# Altium PCB PROB_S7CAS_PCB.PcbDoc (part 6 of 6)
Units mil, origin at the board's own origin, x right, y up, seen from the top; angles counter-clockwise.
Board outline 5946.03 x 10918.8 mil, 16 copper layers (Top, Ground Plane 1, Data 1, Ground Plane 2, Data 2, Ground Plane 3, Power Plane 1, Ground plane 4, Power Plane 2, Ground Plane 5, Ground Plane 6, Data 3, Ground Plane 7, Data 4, Groud Plane 8, Bottom), stack 69.344 mil thick; 467 components, 340 nets, 2151 pads, 1273 vias.
Unrouted connection lines stored in the file: 425.
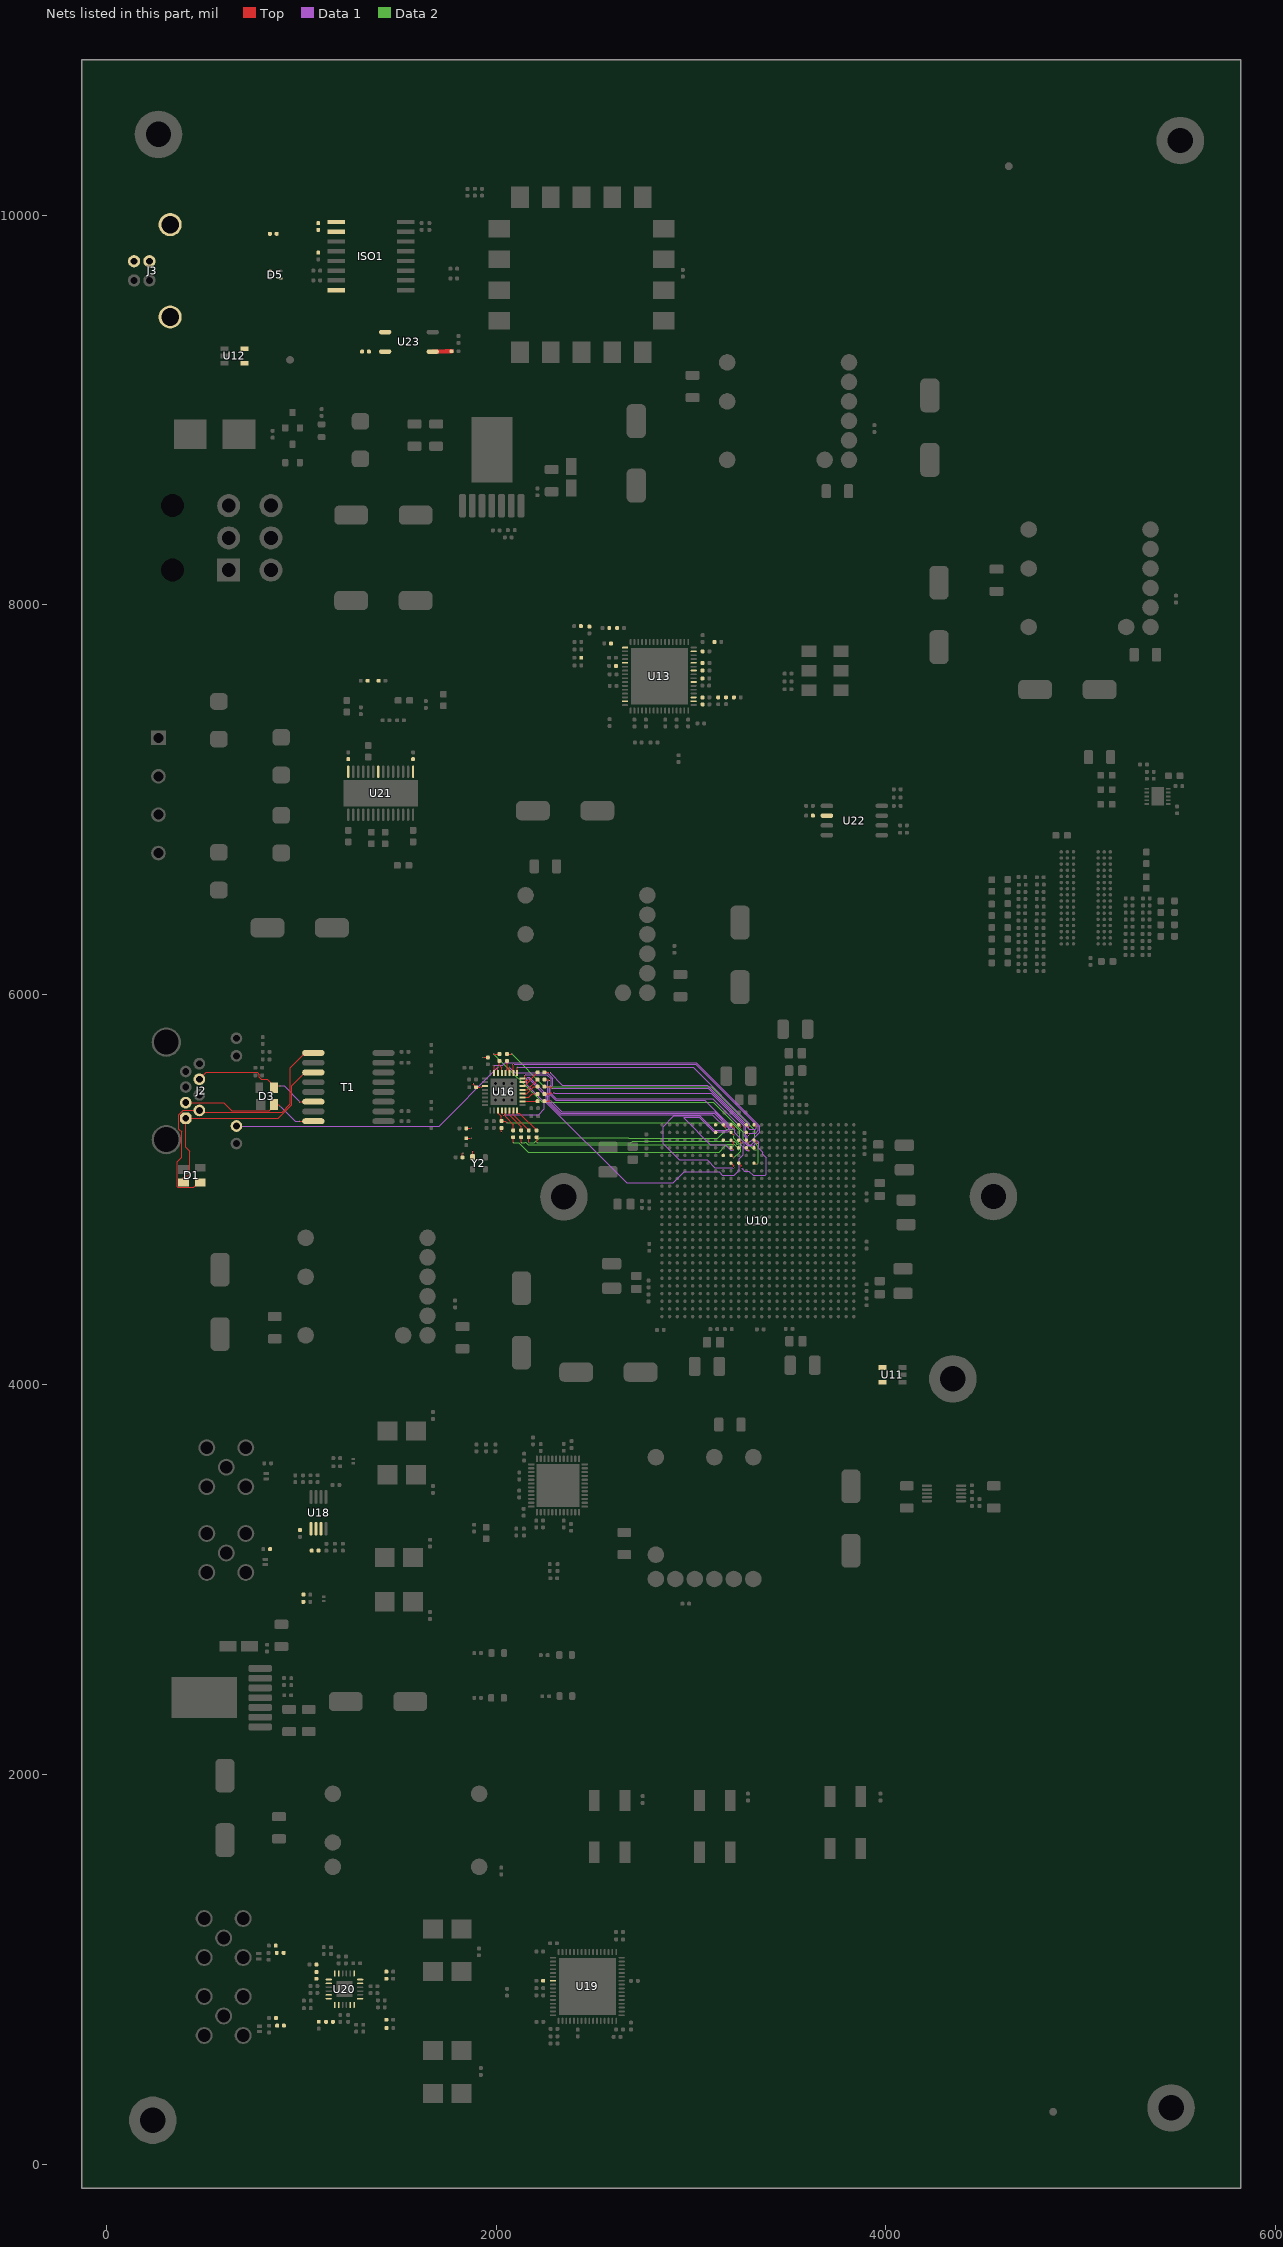
[diagram p20: the nets of this part, all layers, seen from the top]

## Via types
v1: diameter 7, hole 4, Top to Bottom, 1079 vias
v2: diameter 19.68, hole 7.87, Top to Bottom, 110 vias
v3: diameter 20, hole 10, Top to Bottom, 78 vias
v4: diameter 15, hole 4, Top to Bottom, 5 vias
v5: diameter 15, hole 6, Top to Bottom, 1 vias

## Nets (pads, with @x,y where several pads share a name; then routed paths per layer and width w, separated by ;. In a path a pad name is that pad's centre, name@x,y a point inside that pad or via, vN(x,y) a via of type N, cw(c..) or ccw(c..) an arc to the next point about the centre after c; other vN are vias at no path point) (continued)
NetR84_1: R84.1 R86.2 U18.6
NetR84_2: R84.2 R87.1 U18.7
NetR88_2: R88.2 R89.2 U18.5 | length 1.6
  Top w6: R89.2@994.1,3253.71 R89.2@995.73,3253.71
NetR92_1: R92.1 U20.23
NetR92_2: R92.2 R94.1 U20.24
NetR95_1: R95.1 R98.2 U20.1
NetR97_1: R97.1 U20.19
NetR98_1: R98.1 U20.2
NetR99_1: R99.1 U20.18
NetR100_1: R100.1 U20.5
NetR100_2: R100.2 R101.1 U20.6
NetR102_1: R102.1 R105.2 U20.7
NetR103_1: R103.1 U20.13
NetR105_1: R105.1 U20.8
NetR106_1: R106.1 U20.12
NetR107_1: R107.1 R108.1 U21.8
NetR109_2: R109.2 U21.1
NetR114_2: R114.2 U21.14
NetR117_1: R117.1 U22.2
NetR119_2: R119.2 U23.2
NetR120_2: R120.2 U23.3 | length 97.9
  Top w22: U23.3@1674.92,9299.25 1675.23,9299.56 1739.36,9299.56 1740.98,9301.18 R120.2@1772.04,9301.18
PHY_COL: R61.2 U10.F13 | length 1635.6
  Top w4: R61.2@2056.14,5695.63 2056.27,5695.75 2081.01,5695.75 v1(2081.14,5695.88) ; U10.F13@3323.12,5136.06 3325.75,5133.44 3333.52,5133.44 3336.29,5130.66 v1(3337.1,5130.66)
  Data 2 w4: v1(2081.14,5695.88) 2248.09,5528.93 3102.79,5528.93 3325.9,5305.81 3325.9,5239.45 3345.95,5219.4 3345.95,5138.08 3343.13,5135.25 3342.5,5135.25 3337.91,5130.66 v1(3337.1,5130.66)
PHY_COL_NET: R61.1 U16.28 | length 65
  Top w4: U16.28@2048.86,5598.66 2048.86,5609.49 2056.14,5616.77 R61.1@2056.14,5660.63
PHY_CRS: R62.2 U10.D13 | length 1610.6
  Top w4: v1(1988.58,5695.63) R62.2@2016.78,5695.64 ; U10.D13@3323.16,5214.8 v1(3333.1,5204.91)
  Data 2 w4: v1(1988.58,5695.63) 2237.14,5447.07 3114.05,5447.07 3267.21,5293.91 3267.21,5258.77 3321.08,5204.91 v1(3333.1,5204.91)
PHY_CRS_NET: R62.1 U16.29 | length 67.1
  Top w4: R62.1@2016.78,5660.64 2016.78,5637.41 2029.17,5625.02 U16.29@2029.17,5598.66
PHY_INT: R64.2 U10.F10 | length 2052.1
  Top w4: R64.2@2247.79,5564.75 2247.85,5564.7 2273.96,5564.7 v1(2274.02,5564.64) ; U10.F10@3205.05,5136.06 3218.77,5122.35 3218.77,5113.89 v1(3219.34,5113.31)
  Data 1 w4: v1(2274.02,5564.64) 2264.76,5555.38 2264.76,5490.01 2271.76,5483.01 2271.76,5452.05 2331.94,5391.88 3117.94,5391.88 3194.69,5315.13 3194.69,5311.82 3186.75,5303.87 3118.22,5303.87 3044.22,5377.88 2912.21,5377.88 2856.51,5322.18 2856.51,5236.36 2940.19,5152.68 3082.38,5152.68 3121.75,5113.31 v1(3219.34,5113.31)
PHY_INT_NET: R64.1 U16.21 | length 99.2
  Top w4: U16.21@2135.47,5512.04 2160.08,5512.04 R64.1@2212.79,5564.75
PHY_LED0: J2.10 U16.30 | length 1496.2
  Top w4: U16.30@2009.49,5598.66 v1(2009.49,5628.14)
  Data 1 w4: J2.10@667.79,5326.25 1707.6,5326.25 v1(2009.49,5628.14)
PHY_MDC: U10.A9 U16.12 | length 1609.8
  Top w4: U16.12@2029.17,5405.75 2029.17,5394.92 2038.82,5385.27 v1(2038.82,5384.88) ; U10.A9@3165.64,5332.91 3176.38,5322.17 3176.38,5316.95 v1(3176.96,5316.38)
  Data 1 w4: v1(2038.82,5384.88) 2218.4,5384.88 2247.78,5414.26 2247.78,5448.24 2158.23,5537.79 2158.23,5571.76 2163.21,5576.74 2170.25,5576.74 2257.76,5489.23 2257.76,5487.11 2264.76,5480.11 2264.76,5449.15 2329.04,5384.88 3108.46,5384.88 v1(3176.96,5316.38)
PHY_MDIO: R65.1 U10.E10 U16.11 | length 1481.2
  Top w4: U16.11@2009.49,5405.75 2009.49,5394.92 2027.6,5376.81 R65.1@2027.6,5351.56 2047.34,5351.56 v1(2056.14,5342.76) ; U10.E10@3205.05,5175.43 v1@3218.03,5162.45
  Data 2 w4: v1(2056.14,5342.76) 3208.47,5342.76 3250.21,5301.01 3250.21,5251.92 3255.19,5246.94 3255.19,5197.03 3238.19,5180.03 3235.65,5180.03 v1(3218.07,5162.45)
PHY_RXC: R72.2 U10.C13 | length 1283.8
  Top w4: R72.2@2248.09,5490.9 2248.31,5491.12 2275.76,5491.12 2278.31,5493.66 2280.86,5496.21 2289.24,5496.21 v1(2289.81,5496.78) ; U10.C13@3323.16,5254.17 v1(3338.85,5238.53)
  Data 1 w4: v1(2289.81,5496.78) 2290.36,5496.23 2299.31,5496.23 2301.31,5494.23 3103.97,5494.23 3273.12,5325.08 3273.12,5276.91 3281.21,5268.81 3281.21,5234.87 3291.66,5224.42 3321.95,5224.42 3327.89,5230.36 3327.89,5233.22 3332.63,5237.96 3338.27,5237.96 v1(3338.85,5238.53)
PHY_RXC_NET: R72.1 U16.19 | length 85.2
  Top w4: U16.19@2135.47,5472.67 2166.73,5472.67 2184.96,5490.9 R72.1@2213.09,5490.9
PHY_RXD0: R68.2 U10.D11 | length 1090.2
  Top w4: v1(2207.56,5240.03) R68.2@2207.56,5268.93 ; v1(3239.51,5227.15) 3239.51,5226.34 3241.76,5224.09 3241.76,5217.43 U10.D11@3244.38,5214.8
  Data 2 w4: v1(2207.56,5240.03) 2691.73,5240.03 2700.13,5248.42 3222.86,5248.42 3233.88,5237.41 3233.88,5233.6 3239.51,5227.97 v1(3239.51,5227.15)
PHY_RXD0_NET: R68.1 U16.16 | length 148.2
  Top w4: U16.16@2107.91,5405.75 2107.91,5394.92 2110.83,5392 2119.49,5392 R68.1@2207.56,5303.93
PHY_RXD1: R69.2 U10.A10 | length 1151.6
  Top w4: v1(2167.56,5239.92) R69.2@2167.56,5268.93 ; U10.A10@3205.01,5332.91 3205.65,5332.91 3226.45,5312.11 v1(3227.09,5312.11)
  Data 2 w4: v1(2167.56,5239.92) 2195.44,5239.92 2222.7,5267.18 2678.31,5267.18 2681.24,5264.26 3136.86,5264.26 3182.88,5310.28 3215.59,5310.28 3217.42,5312.11 v1(3227.09,5312.11)
PHY_RXD1_NET: R69.1 U16.15 | length 134.7
  Top w4: U16.15@2088.23,5405.75 2088.23,5383.26 R69.1@2167.56,5303.93
PHY_RXD2: R70.2 U10.B10 | length 1277.4
  Top w4: v1(2128.38,5239.92) R70.2@2128.38,5268.92 ; U10.B10@3205.01,5293.54 3219.48,5279.07 v1(3220.11,5279.07)
  Data 2 w4: v1(2128.38,5239.92) 2145.89,5239.92 2149.06,5243.09 2152.37,5243.09 2164.04,5231.42 3183.49,5231.42 3185.1,5233.03 3221.61,5233.03 3239.02,5215.62 3239.02,5208.23 3242.54,5204.71 3245.85,5204.71 3248.19,5207.05 3248.19,5235.56 3220.11,5263.64 v1(3220.11,5279.07)
PHY_RXD2_NET: R70.1 U16.14 | length 126.6
  Top w4: U16.14@2068.54,5405.75 2068.54,5383.19 2128.38,5323.35 R70.1@2128.38,5303.92
PHY_RXD3: R71.2 U10.C10 | length 1228.9
  Top w4: v1(2087.56,5239.92) R71.2@2087.56,5268.93 ; U10.C10@3205.05,5254.17 3219.3,5239.92 3219.3,5234.55 3218.67,5233.91 3218.67,5225.1 v1(3218.09,5224.53)
  Data 2 w4: v1(2087.56,5239.92) 2116.36,5239.92 2164.23,5192.05 3144.12,5192.05 3176.49,5224.42 3217.99,5224.42 v1(3218.09,5224.53)
PHY_RXD3_NET: R71.1 U16.13 | length 117.8
  Top w4: U16.13@2048.86,5405.75 2048.86,5372.62 2087.56,5333.92 R71.1@2087.56,5303.93
PHY_RXDV: R66.2 U10.D10 | length 1633.8
  Top w4: R66.2@2248.07,5453.77 2248.62,5453.22 2268.76,5453.22 2270.76,5455.22 2279.91,5455.22 v1(2280.26,5455.57) ; U10.D10@3205.05,5214.8 v1(3216.12,5203.77)
  Data 1 w4: v1(2280.26,5455.57) 2336.96,5398.88 3116.37,5398.88 3120.84,5398.88 3201.69,5318.03 3201.69,5308.92 3199.46,5306.68 3189.65,5296.87 3115.32,5296.87 3041.32,5370.88 2966.26,5370.88 2963.91,5368.54 2963.91,5365.22 3097.71,5231.42 3176.45,5231.42 3204.62,5203.25 3215.6,5203.25 v1(3216.12,5203.77)
PHY_RXDV_NET: R66.1 U16.18 | length 77.9
  Top w4: U16.18@2135.47,5452.99 2135.86,5453.38 2212.68,5453.38 R66.1@2213.07,5453.77
PHY_RXER: R67.2 U10.F11 | length 1636.7
  Top w4: R67.2@2247.79,5528.18 2274.57,5528.21 2276.67,5526.11 2280.78,5526.11 2286.45,5520.43 v1(2287.26,5520.43) ; U10.F11@3244.38,5136.06 3258.14,5122.35 3258.14,5113.89 v1(3258.71,5113.31)
  Data 1 w4: v1(2287.26,5520.43) 3087.67,5520.43 3280.12,5327.98 3280.12,5279.81 3288.21,5271.71 3288.21,5237.77 3294.56,5231.42 3309.27,5231.42 3328.44,5250.6 3338.8,5250.6 3347.35,5242.05 3347.35,5213.07 3368.32,5192.09 3368.32,5181.7 3385.32,5164.7 3385.32,5078.92 3380.35,5073.94 3318.6,5073.94 3297,5095.54 3272.96,5095.54 3265.09,5103.42 3265.09,5106.25 3258.71,5112.62 v1(3258.71,5113.31)
PHY_RXER_NET: R67.1 U16.20 | length 92.2
  Top w4: U16.20@2135.47,5492.36 2157.79,5492.36 2193.6,5528.18 R67.1@2212.79,5528.18
PHY_TXC: R73.2 U10.A13 | length 1237.7
  Top w4: R73.2@2247.79,5601.96 2248.25,5601.5 2274.06,5601.5 v1(2274.52,5601.04) ; U10.A13@3323.12,5332.91 v1(3334.19,5321.84)
  Data 1 w4: v1(2274.52,5601.04) 2340.32,5535.24 3082.77,5535.24 3287.12,5330.88 3287.12,5320.56 3297.68,5310 3328.71,5310 3333.62,5314.91 3333.62,5321.27 v1(3334.19,5321.84)
PHY_TXC_NET: R73.1 U16.22 | length 108.6
  Top w4: U16.22@2135.47,5531.73 2146.3,5531.73 2177.7,5563.13 2177.7,5566.86 R73.1@2212.79,5601.96
PHY_TXD0: U10.D12 U16.24 | length 1449.8
  Top w4: U16.24@2135.47,5571.1 2143.38,5571.1 2146.3,5574.02 v1(2146.3,5590) ; U10.D12@3283.75,5214.8 v1@3299.43,5199.16
  Data 1 w4: v1(2146.3,5590) 2260.67,5590 2282.52,5568.16 2282.52,5537.6 2271.76,5526.85 2271.76,5492.91 2305,5459.67 3069.95,5459.67 3208.69,5320.93 3208.69,5318.49 3223.63,5303.55 3223.63,5292 3274.21,5241.42 3274.21,5212.4 3283.53,5203.08 3287.98,5203.08 3291.32,5199.74 3298.9,5199.74 v1(3299.48,5199.16)
PHY_TXD1: U10.A12 U16.25 | length 1380.8
  Top w4: U16.25@2107.91,5598.66 v1(2107.91,5628.14) ; U10.A12@3283.75,5332.91 3295.91,5320.75 3298.94,5320.75 v1(3299.52,5320.18)
  Data 1 w4: v1(2107.91,5628.14) 3010.55,5628.14 3299.52,5339.17 v1(3299.52,5320.18)
PHY_TXD2: U10.B12 U16.26 | length 1528.3
  Top w4: U16.26@2088.23,5598.66 v1(2088.23,5642.69) ; U10.B12@3283.75,5293.54 v1(3294.82,5282.47)
  Data 1 w4: v1(2088.23,5642.69) 3025.37,5642.69 3345.87,5322.18 3345.87,5303.87 3332,5290 3302.35,5290 v1(3294.82,5282.47)
PHY_TXD3: U10.A11 U16.27 | length 1427.9
  Top w4: U16.27@2068.54,5598.66 v1(2068.54,5628.18) ; U10.A11@3244.38,5332.91 v1(3258.63,5318.66)
  Data 1 w4: v1(2068.54,5628.18) 2097.39,5599.33 2261.24,5599.33 2289.52,5571.06 2289.52,5534.7 2278.76,5523.95 2278.76,5495.81 2307.9,5466.67 3111.73,5466.67 3257.13,5321.27 3257.13,5320.98 3258.63,5319.48 v1(3258.63,5318.66)
PHY_TXEN: U10.C11 U16.23 | length 1579.1
  Top w4: U16.23@2135.47,5551.41 2146.3,5551.41 2155.68,5560.8 2159.29,5560.8 v1(2166.73,5568.24) ; U10.C11@3244.38,5254.17 3258.1,5240.5 3263.12,5240.5 v1(3263.69,5239.92)
  Data 1 w4: v1(2166.73,5568.24) 2257.76,5477.21 2257.76,5446.25 2669.44,5034.57 2907.9,5034.57 2964.27,5090.94 3144.12,5090.94 3161.12,5073.94 3222.86,5073.94 3247.16,5098.24 3247.16,5158.87 3267.21,5178.92 3267.21,5219.4 3258.71,5227.9 3258.71,5234.13 3263.69,5239.11 v1(3263.69,5239.92)
PHY_TXER: U10.C12 U16.31 | length 1676.7
  Top w4: v1(1985.48,5638.98) 1985.48,5638.16 1989.8,5633.84 U16.31@1989.8,5598.66 ; U10.C12@3283.75,5254.17 v1(3296.81,5241.19)
  Data 1 w4: v1(1985.48,5638.98) 2032.91,5638.98 2045.12,5651.19 3026.77,5651.19 3352.87,5325.08 3352.87,5294.71 3306.22,5248.06 3303.67,5248.06 v1(3296.81,5241.19)
PHY_VDDA: C170.2 C171.2 C176.2 L5.2 R63.2 R65.2 U16.3 Y2.4 | length 235.5
  Top w4: C176.2@1827.42,5165.59 1827.42,5186.33 1830.28,5189.19 v1(1830.28,5190) ; L5.2@1846.79,5263.74 v1(1872.11,5263.74) ; C170.2@1846.79,5314.24 v1(1872.11,5314.24) ; v1(1877.69,5200) 1877.69,5199.19 1879.55,5197.33 Y2.4@1879.55,5165.59 ; v1(1879.81,5544.75) 1880.39,5544.17 1880.39,5542.03 C171.2@1897.03,5525.38 v1(1921.3,5525.38) 1921.87,5525.96 1925.96,5525.96 1931.73,5531.73 U16.3@1942.56,5531.73 ; v1(1931.73,5678.14) R63.2@1957.54,5678.14 ; R65.2@2027.6,5316.56 2027.6,5295.93 2029.17,5294.35 v1(2029.17,5293.54)
RX+: D1.2 J2.1 T1.11 | length 1170.8
  Top w4: D1.2@395.9,5036.25 395.9,5061.93 404.07,5070.1 420.29,5070.1 428.46,5078.27 428.46,5197.93 407.79,5218.6 J2.1@407.79,5366.25 882.56,5366.25 952.02,5435.71 952.02,5533.25 1020.02,5601.25 T1.11@1062.52,5601.25
RX-: D1.3 J2.2 T1.9 | length 1454.2
  Top w4: D1.3@482.52,5036.25 474.64,5036.25 449.96,5011.56 366.27,5011.56 363.34,5014.49 363.34,5142.88 387.79,5167.33 387.79,5295.72 372.79,5310.72 372.79,5383.32 395.72,5406.25 J2.2@477.79,5406.25 487.35,5396.69 901.64,5396.69 945.02,5440.07 945.02,5626.25 1020.02,5701.25 T1.9@1062.52,5701.25
TC74_CLK0: U10.A8 U11.4
TC74_CLK1: U10.E9 U12.4
TC74_SDA0: U10.C9 U11.5
TC74_SDA1: U10.B8 U12.5
TX+: D3.2 J2.3 T1.16 | length 725.7
  Top w4: J2.3@407.79,5446.25 602.16,5446.25 644.72,5403.69 835.55,5403.69 860.23,5428.38 D3.2@860.23,5436.25 885.43,5436.25 v1(893.3,5428.38) ; v1(993.4,5351.56) 993.56,5351.4 1062.36,5351.4 T1.16@1062.52,5351.25
  Data 1 w4: v1(893.3,5428.38) 970.12,5351.56 v1(993.4,5351.56)
TX-: D3.3 J2.6 T1.14 | length 680.3
  Top w4: J2.6@477.79,5566.25 512.74,5601.19 773.47,5601.19 784.89,5589.78 784.89,5577.66 796.3,5566.25 824.72,5566.25 860.23,5530.74 D3.3@860.23,5522.86 869.04,5531.67 v1(891,5531.67) ; v1(993.4,5451.25) T1.14@1062.52,5451.25
  Data 1 w4: v1(891,5531.67) 912.98,5531.67 v1(993.4,5451.25)
USB_GND: C257.1 C258.1 D5.4 ISO1.2 ISO1.8 J3.4 J3.5 J3.6 R119.1
VBUS: D5.1 J3.1 L1.2
VBUS_USB: C257.2 ISO1.1 L1.1 U23.1
VCC_PLL: C110.2 C111.2 C112.2 C113.2 C114.2 C115.2 L2.1 U13.5 U13.15 U13.39 U13.42 U13.44
VCC_PRI: C116.2 C117.2 C118.2 C119.2 L3.1 U13.1 U13.47
VCC_VCO: C120.2 C121.2 C122.2 C123.2 L4.1 U13.34 U13.35
VCM_ADC: C208.2 U19.23 U20.11 U20.17
pads on no net: D1.1 D1.4 D2.1 D3.1 D3.4 D5.2 FID1.1 FID1.2 FID2.1 FID2.2 FID3.1 FID3.2 J1.0 J2.0 J2.11 J2.12 M1.9 T1.4 T1.5 T1.12 T1.13 U2.3 U3.8 U3.10 U4.8 U4.10 U5.8 U5.10 U6.8 U6.10 U7.3 U8.8 U8.10 U9.3 U10.A2 U10.A3 U10.A14 U10.A16 U10.A18 U10.A19 U10.A20 U10.A21 U10.A22 U10.A23 U10.A25 U10.AA3 U10.AA4 U10.AA5 U10.AA7 U10.AA8 U10.AA9 U10.AA12 U10.AA14 U10.AA15 U10.AA17 U10.AA18 U10.AA19 U10.AA20 U10.AA22 U10.AA25 U10.AA26 U10.AB4 U10.AB5 U10.AB6 U10.AB7 U10.AB8 U10.AB9 U10.AB15 U10.AB17 U10.AB18 U10.AB19 U10.AB21 U10.AB22 U10.AB24 U10.AB26 U10.AC3 U10.AC4 U10.AC5 U10.AC7 U10.AC9 U10.AC12 U10.AC13 U10.AC14 U10.AC15 U10.AC16 U10.AC17 U10.AC19 U10.AC20 U10.AC22 U10.AC25 U10.AC26 U10.AD4 U10.AD5 U10.AD6 U10.AD8 U10.AD9 U10.AD10 U10.AD12 U10.AD13 U10.AD14 U10.AD15 U10.AD17 U10.AD18 U10.AD19 U10.AD21 U10.AD23 U10.AD24 U10.AD26 U10.AE3 U10.AE5 U10.AE7 U10.AE9 U10.AE13 U10.AE15 U10.AE17 U10.AE19 U10.AE21 U10.AE23 U10.AE25 U10.AE26 U10.AF2 U10.AF5 U10.AF6 U10.AF7 U10.AF8 U10.AF9 U10.AF10 U10.AF12 U10.AF13 U10.AF14 U10.AF15 U10.AF16 U10.AF17 U10.AF18 U10.AF19 U10.AF21 U10.AF23 U10.AF24 U10.AF25 U10.B1 U10.B2 U10.B4 U10.B14 U10.B16 U10.B18 U10.B20 U10.B22 U10.B23 U10.B24 U10.B25 U10.B26 U10.C1 U10.C2 U10.C3 U10.C4 U10.C6 U10.C19 U10.C21 U10.C24 U10.C25 U10.C26 U10.D1 U10.D3 U10.D22 U10.D23 U10.D24 U10.D26 U10.E1 U10.E2 U10.E3 U10.E4 U10.E5 U10.E12 U10.E23 U10.E24 U10.E25 U10.E26 U10.F1 U10.F3 U10.F5 U10.F8 U10.F12 U10.F14 U10.F22 U10.F24 U10.F26 U10.G1 U10.G2 U10.G3 U10.G4 U10.G5 U10.G6 U10.G7 U10.G9 U10.G11 U10.G13 U10.G19 U10.G20 U10.G21 U10.G22 U10.G23 U10.G24 U10.G25 U10.G26 U10.H1 U10.H3 U10.H5 U10.H6 U10.H7 U10.H8 U10.H9 U10.H10 U10.H12 U10.H13 U10.H17 U10.H18 U10.H19 U10.H20 U10.H21 U10.H22 U10.H24 U10.H26 U10.J1 U10.J2 U10.J3 U10.J4 U10.J5 U10.J7 U10.J10 U10.J11 U10.J12 U10.J13 U10.J16 U10.J17 U10.J20 U10.J22 U10.J23 U10.J24 U10.J25 U10.J26 U10.K1 U10.K3 U10.K5 U10.K6 U10.K7 U10.K8 U10.K9 U10.K10 U10.K12 U10.K14 U10.K15 U10.K18 U10.K19 U10.K20 U10.K21 U10.K22 U10.K24 U10.K26 U10.L1 U10.L2 U10.L8 U10.L9 U10.L17 U10.L18 U10.L19 U10.L20 U10.L21 U10.L23 U10.L24 U10.L25 U10.L26 U10.M1 U10.M3 U10.M4 U10.M18 U10.M19 U10.M21 U10.M23 U10.M24 U10.M26 U10.N1 U10.N2 U10.N17 U10.N18 U10.N19 U10.N20 U10.N21 U10.N22 U10.N23 U10.N24 U10.N25 U10.N26 U10.P20 U10.P21 U10.P22 U10.P24 U10.P26 U10.R5 U10.R7 U10.R10 U10.R23 U10.R24 U10.R25 U10.R26 U10.T4 U10.T6 U10.T8 U10.T9 U10.T10 U10.T23 U10.T24 U10.T26 U10.U3 U10.U4 U10.U5 U10.U7 U10.U8 U10.U9 U10.U19 U10.U24 U10.U25 U10.U26 U10.V5 U10.V7 U10.V8 U10.V10 U10.V11 U10.V15 U10.V16 U10.V20 U10.V22 U10.V23 U10.V24 U10.V26 U10.W5 U10.W7 U10.W8 U10.W9 U10.W10 U10.W11 U10.W16 U10.W17 U10.W18 U10.W19 U10.W21 U10.W22 U10.W24 U10.W25 U10.W26 U10.Y5 U10.Y6 U10.Y8 U10.Y9 U10.Y14 U10.Y15 U10.Y16 U10.Y18 U10.Y20 U10.Y21 U10.Y22 U10.Y24 U10.Y26 U11.1 U12.1 U13.6 U13.7 U13.9 U13.10 U13.13 U13.33 U13.40 U13.41 U13.43 U13.49 U13.50 U13.51 U13.52 U13.53 U13.54 U13.55 U13.56 U13.57 U13.58 U13.59 U13.60 U13.61 U13.62 U13.63 U13.64 U14.J1 U14.J9 U14.L1 U14.L9 U14.M7 U14.T7 U16.8 U19.22 U20.PAD Y1.1 Y2.1
copper on no net:
  other v1: 3258.71,4413.15 3613.04,4413.15 3691.78,4413.15 3258.71,4452.52 3731.15,4452.52 3219.34,4491.89 3258.71,4491.89 3337.45,4491.89 3258.71,4531.26 3337.45,4531.26 3731.15,4531.26 3219.34,4570.63 3337.45,4570.63 3298.08,4610 3337.45,4610 3376.82,4610 3298.69,4649.71 3338.06,4649.71 3377.43,4649.71 3495.54,4649.71 3534.91,4649.71 3574.28,4649.71 3298.08,4688.74 3337.45,4688.74 3416.19,4688.74 3494.93,4688.74 3613.04,4688.74 3652.41,4688.74 3691.78,4688.74 3731.15,4688.74 3534.3,4728.11 3573.67,4728.11 3613.04,4728.11 3691.78,4728.11 3494.93,4767.48 3534.3,4767.48 3573.67,4767.48 3613.04,4767.48 3652.41,4767.48 3691.78,4767.48 3494.93,4806.85 3534.3,4806.85 3376.82,5003.7 3416.19,5003.7 3416.19,5043.07 3455.56,5043.07 3140.6,5082.44 3376.82,5082.44 3455.56,5082.44 3494.93,5082.44 3101.23,5121.81 3179.97,5121.81 3416.19,5121.81 3455.56,5121.81 3494.93,5121.81 3534.3,5121.81 3613.04,5121.81 3061.86,5161.18 3140.6,5161.18 3179.97,5161.18 3376.82,5161.18 3455.56,5161.18 3494.93,5161.18 3534.3,5161.18 3573.67,5161.18 3613.04,5161.18 3652.41,5161.18 3022.49,5200.55 3061.86,5200.55 3101.23,5200.55 3140.6,5200.55 3376.82,5200.55 3416.19,5200.55 3455.56,5200.55 3534.3,5200.55 3573.67,5200.55 3613.04,5200.55 3652.41,5200.55 3022.49,5239.92 3101.23,5239.92 3140.6,5239.92 3179.97,5239.92 3376.82,5239.92 3416.19,5239.92 3455.56,5239.92 3494.93,5239.92 3534.3,5239.92 3613.04,5239.92 3731.15,5239.92
  other v2: 1200.31,876.9 1243.62,876.9 1200.31,920.2 1243.62,920.2

## Polygon pours and split planes (outlines as drawn)
1V2D on Power Plane 1 "1V2D_L07_P005" (solid, pour order 5): 30 vertices, not listed, extent 2586.85,4671.41 4396.63,6310.08
1V5D on Power Plane 1 "1V5D_L07_P023" (solid, pour order 23): 50 vertices, not listed, extent 2480,3160 5693.9,8077.02
1V8D on Power Plane 1 "1V8D_L07_P021" (solid, pour order 21): 32 vertices, not listed, extent 2072.45,34.62 5700,4767.48
5VD on Power Plane 1 "5VD_L07_P020" (solid, pour order 20): 43 vertices, not listed, extent 829.53,3393.54 5680,10600
24V on Power Plane 1 "24V_L07_P000" (solid, pour order 0): 35 vertices, not listed, extent 40,30 2304.1,10600
VCC_VCO on Power Plane 1 "VCC_VCO_L07_P046" (solid, pour order 46): 2993.6,7495.89 2993.6,7540.34 3008.03,7554.77 3343.1,7554.77 3358.29,7539.58 3358.29,7479.3 3342.29,7463.3 3026.18,7463.3
3V3A on Power Plane 2 "3V3A_L09_P004" (solid, pour order 4): 31 vertices, not listed, extent 1389.97,29.43 5688.64,5248.63
DDR3_VTT on Power Plane 2 "DDR3_VTT_L09_P045" (solid, pour order 45): 5357.25,6915.83 5357.25,7210.2 5317.94,7249.5 4578.8,7249.5 4220,6890.7 4220,5381.24 4531.24,5070 5619.69,5070 5700,5150.31 5700,6767.17 5649.96,6817.21 5432.85,6817.21
3V3D on Power Plane 2 "3V3D_L09_P058" (solid, pour order 58): 47 vertices, not listed, extent 50,2080 5696.15,10590
3V3DDR on Power Plane 2 "3V3DDR_L09_P044" (solid, pour order 44): 4680.2,8510 4525.47,8355.27 4525.47,7338.13 4583.6,7280 5348.46,7280 5409.47,7219 5409.47,6909.67 5471.92,6847.21 5661.76,6847.21 5700,6885.45 5700,8480 5670,8510
5VP on Power Plane 2 "5VP_L09_P001" (solid, pour order 1): 34 vertices, not listed, extent 32.28,30 1711.98,5200
5VN on Power Plane 2 "5VN_L09_P002" (solid, pour order 2): 29 vertices, not listed, extent 947.15,30 2040.96,4108.76
3V3D on Top "3V3D_L01_P061" (solid, pour order 61): 3514.98,7567.11 3533.67,7585.8 3590.57,7585.8 3604.8,7571.57 3604.8,7550.88 3590.29,7536.37 3529.98,7536.37 3529.98,7537.11 3514.98,7552.11
GND on Top "GND_L01_P130" (solid, pour order 130): 3680.33,7768 3699.02,7786.69 3755.93,7786.69 3770.16,7772.46 3770.16,7751.76 3755.65,7737.26 3695.33,7737.26 3695.33,7738 3680.33,7753
3V3D on Top "3V3D_L01_P129" (solid, pour order 129): 4018.99,7059.03 4018.99,7058.58 4004.14,7043.73 4004.14,6990.83 3992.25,6978.94 3992.25,6962.84 4002.76,6952.33 4029.62,6952.33 4040.29,6963.01 4040.29,7035.78 4046.06,7041.54 4046.06,7052.57 4039.6,7059.03 4033.84,7059.03
GND on Top "GND_L01_P128" (solid, pour order 128): 2098.72,9387.24 2090.79,9379.27 2090.79,9334.15 2091.04,9334.15 2105.63,9319.55 2138.15,9319.55 2153.62,9335.02 2153.62,9380.69 2147.07,9387.24
GND on Top "GND_L01_P127" (solid, pour order 127): 2902.73,9686.71 2894.79,9678.74 2894.79,9633.62 2895.04,9633.62 2909.64,9619.02 2942.16,9619.02 2957.63,9634.49 2957.63,9680.16 2951.07,9686.71
3V3D on Top "3V3D_L01_P126" (solid, pour order 126): 2255.99,9387.24 2248.05,9379.27 2248.05,9334.15 2248.3,9334.15 2262.9,9319.55 2295.42,9319.55 2310.89,9335.02 2310.89,9380.69 2304.34,9387.24
3V3D on Top "3V3D_L01_P125" (solid, pour order 125): 2957.06,9768.55 2949.09,9776.48 2903.96,9776.48 2903.96,9776.23 2889.36,9761.64 2889.36,9729.11 2904.83,9713.65 2950.5,9713.65 2957.06,9720.2
3V3D on Top "3V3D_L01_P123" (solid, pour order 123): 3478.23,4283.22 3462.61,4267.6 3462.61,4114.16 3483.02,4093.75 3497.3,4093.75 3506.19,4102.64 3506.19,4270.64 3493.61,4283.22
3V3D on Top "3V3D_L01_P122" (solid, pour order 122): 3133.88,4279.79 3127.4,4279.79 3112.26,4264.65 3112.26,4116.19 3138.34,4090.12 3165.09,4090.12 3184.13,4109.15 3184.13,4274.95 3179.5,4279.58 3133.56,4279.58
3V3A on Top "3V3A_L01_P121" (solid, pour order 121): 2317.86,747.79 2333,747.79 2343.15,737.64 2343.15,710.01 2327.96,695.14 2327.96,618.76 2321.09,611.89 2308.24,611.89 2302.69,617.45 2302.69,702.49 2294.53,710.64 2260.12,710.64 2244.88,725.88 2244.88,736.7 2255.98,747.79
3V3A on Top "3V3A_L01_P120" (solid, pour order 120): 2240.27,1095.94 2240.27,1084.64 2241.6,1083.31 2248.58,1076.33 2321.08,1076.33 2331.17,1086.42 2331.17,1129.37 2322.25,1138.29 2303.08,1138.29 2294.02,1129.23 2294.02,1109.75 2285.87,1101.6 2245.92,1101.6
GND on Top "GND_L01_P118" (solid, pour order 118): 2127.25,6085.1 2119.32,6077.13 2119.32,6032.01 2119.57,6032.01 2134.16,6017.41 2166.69,6017.41 2182.16,6032.88 2182.16,6078.55 2175.6,6085.1
GND on Top "GND_L01_P117" (solid, pour order 117): 2179.58,6676.35 2215.4,6640.52 2215.4,6559.01 2161.35,6504.96 2125.23,6504.96 2099.81,6530.38 2099.81,6631.05 2144.5,6675.74
GND on Top "GND_L01_P116" (solid, pour order 116): 2168.49,6925.3 2132.67,6889.48 2051.16,6889.48 1997.11,6943.53 1997.11,6979.65 2022.52,7005.07 2123.19,7005.07 2167.88,6960.38
24V on Top "24V_L01_P115" (solid, pour order 115): 1431.57,6802.64 1492.22,6802.64 1521.5,6773.37 1521.5,6728.27 1510.52,6717.29 1466.41,6717.29 1466.41,6718.66 1421.02,6764.05 1421.02,6794.95
GND on Top "GND_L01_P114" (solid, pour order 114): 1388.94,6773 1388.94,6712.35 1359.67,6683.08 1314.57,6683.08 1303.59,6694.06 1303.59,6738.17 1304.96,6738.17 1350.35,6783.55 1381.25,6783.55
GND on Top "GND_L01_P113" (solid, pour order 113): 789.31,6423.72 732.35,6480.68 609.32,6480.68 577.79,6512.21 577.79,6591.78 711.16,6725.15 941.55,6725.15 1000.02,6666.68 1000.02,6591.08 998.3,6591.08 874.65,6467.44 874.65,6381.31 861.65,6368.3 799.96,6368.3 789.31,6382.9
24V on Top "24V_L01_P112" (solid, pour order 112): 1120.02,6382.9 1120.02,6464.53 1149.29,6493.8 1179,6493.8 1205.36,6467.44 1205.36,6381.31 1192.35,6368.3 1130.67,6368.3
24V on Top "24V_L01_P111" (solid, pour order 111): 1119.03,2203.13 1119.03,2232.56 1079.03,2272.56 849.27,2272.56 817.27,2240.55 817.27,2228.65 883.52,2162.4 1070.83,2162.4
GND on Top "GND_L01_P110" (solid, pour order 110): 2467.32,4097.81 2527.97,4097.81 2557.24,4068.54 2557.24,4023.44 2546.26,4012.47 2502.15,4012.47 2502.15,4013.83 2456.77,4059.22 2456.77,4090.12
5VD on Top "5VD_L01_P109" (solid, pour order 109): 3084.11,3632.62 3103.62,3613.1 3148.24,3613.1 3179.93,3644.8 3179.93,3814.69 3168.85,3825.77 3019.86,3825.77 2779.13,4066.5 2668.86,4066.5 2595.4,3993.05 2595.4,3887.9 2752.07,3731.23 2985.49,3731.23
GND on Top "GND_L01_P107" (solid, pour order 107): 2820.72,3656.09 2881.38,3656.09 2910.65,3626.82 2910.65,3581.72 2899.67,3570.74 2855.56,3570.74 2855.56,3572.11 2810.17,3617.49 2810.17,3648.39
GND on Top "GND_L01_P106" (solid, pour order 106): 3292.15,3739.1 3300.02,3731.23 3300.02,3630.97 3314.2,3616.78 3336.26,3616.78 3336.26,3616.82 3347.24,3627.8 3347.24,3793.81 3317.97,3823.08 3257.32,3823.08 3246.76,3815.38 3246.76,3784.48
GND on Top "GND_L01_P105" (solid, pour order 105): 3859.68,3185.26 3941.31,3185.26 3970.58,3155.99 3970.58,3126.27 3944.22,3099.91 3858.08,3099.91 3845.07,3112.92 3845.07,3174.61
GND on Top "GND_L01_P104" (solid, pour order 104): 20 vertices, not listed, extent 4106.96,3355.8 4206.56,3448.57
1V8D on Top "1V8D_L01_P103" (solid, pour order 103): 17 vertices, not listed, extent 3800.51,3452.48 4210.2,3578.57
1V5D on Top "1V5D_L01_P096" (solid, pour order 96): 3888.98,5226.66 3888.98,5220.18 3904.11,5205.04 4072.37,5205.04 4078.65,5211.32 4078.65,5257.87 4059.61,5276.91 3901.76,5276.91 3889.18,5264.33 3889.18,5226.33
1V8D on Top "1V8D_L01_P102" (solid, pour order 102): 3900.28,4451.03 3900.28,4444.55 3915.42,4429.42 4064.02,4429.42 4089.95,4455.35 4089.95,4482.25 4071.97,4500.23 3912,4500.23 3900.48,4488.71 3900.48,4450.71
1V8D on Top "1V8D_L01_P101" (solid, pour order 101): 2833.14,3011.31 2819.65,2997.81 2819.65,2994.57 2769.87,2994.57 2698.91,3065.54 2600,3065.54 2575.96,3089.58 2575.96,3153.77 2606.71,3184.52 2772.59,3184.52 2833.14,3123.97
1V8D on Top "1V8D_L01_P100" (solid, pour order 100): 2102.68,3261.38 2102.71,3266.58 2137.61,3301.48 2165.44,3301.48 2209.28,3345.32 2231.55,3345.32 2238.65,3338.22 2238.65,3294.17 2229.16,3284.69 2194.69,3284.69 2163.46,3253.45 2110.61,3253.45
GND on Top "GND_L01_P099" (solid, pour order 99): 2638.78,678.94 2651.58,691.73 2726.65,691.73 2734.96,683.42 2734.96,669.29 2708.53,642.86 2649.74,642.86 2639.23,653.37
1V8D on Top "1V8D_L01_P098" (solid, pour order 98): 19 vertices, not listed, extent 2588.49,648.03 2688.51,745.28
GND on Top "GND_L01_P097" (solid, pour order 97): 3887,4994.06 3900.92,4980.15 3914.26,4980.15 4008.06,5073.94 4033.76,5073.94 4100.54,5073.94 4109.82,5083.22 4109.82,5103.24 4096.06,5117 4063.13,5117 3988.71,5191.42 3893.27,5191.42 3890.08,5188.24
5VD on Top "5VD_L01_P094" (solid, pour order 94): 2162.02,6310.87 2582.79,6731.64 2582.79,6947.94 2551.35,6979.38 2443.49,6979.38 2260,6795.89 2260,6499.34 2121.26,6360.61 2121.26,6329.42 2139.81,6310.87
1V5D on Top "1V5D_L01_P093" (solid, pour order 93): 2770.57,5245.19 2770.57,5251.67 2755.43,5266.81 2606.97,5266.81 2580.9,5240.73 2580.9,5213.98 2599.93,5194.94 2757.79,5194.94 2770.36,5207.52 2770.36,5245.51
5VN on Top "5VN_L01_P092" (solid, pour order 92): 1213.5,1043.92 1190.94,1043.92 1151.67,1083.2 1129.11,1083.2 1123.4,1077.48 1123.4,1048.76 1141.75,1030.41 1168.11,1030.41 1202.72,995.79 1202.38,981.61 1210.65,973.34 1216.64,973.34 1231.11,973.34 1237.02,979.24 1237.02,1020.41
5VN on Top "5VN_L01_P091" (solid, pour order 91): 1355.6,914.96 1366.97,903.6 1366.97,877.39 1404.55,839.81 1404.55,811.01 1398.64,805.1 1389.45,805.1 1312.98,881.57 1296.54,881.57 1290.93,887.18 1290.93,907.15 1298.74,914.96
5VN on Top "5VN_L01_P089" (solid, pour order 89): 967.74,3507.3 967.74,3495.95 976.76,3486.93 1017.32,3486.93 1032.05,3472.19 1032.05,3441.66 1044.01,3429.7 1050.06,3429.7 1055.78,3435.42 1055.78,3492.63 1048.31,3500.1 1038.16,3511.95 972.38,3511.95
5VP on Top "5VP_L01_P088" (solid, pour order 88): 19 vertices, not listed, extent 1200.31,707.98 1319.84,817.84
5VP on Top "5VP_L01_P087" (solid, pour order 87): 1132.99,879.65 1141.26,887.93 1141.26,893.92 1141.26,908.39 1135.35,914.3 1106.55,914.3 1031.4,839.15 1031.4,806.39 1037.11,800.68 1065.83,800.68 1084.19,819.03 1084.19,839.33 1124.71,879.86
5VP on Top "5VP_L01_P086" (solid, pour order 86): 1213.76,3175.89 1213.76,3183.37 1198.76,3198.37 1158.2,3198.37 1145.6,3210.96 1145.6,3241.5 1133.65,3253.45 1127.59,3253.45 1121.88,3247.74 1121.88,3190.52 1129.35,3183.05 1144.35,3165.55 1203.42,3165.55
GND on Top "GND_L01_P085" (solid, pour order 85): 2784.93,4531.08 2780.54,4526.7 2724.79,4526.7 2673.74,4577.75 2584.21,4577.75 2554.02,4607.94 2554.02,4636.1 2561.75,4643.83 2695.46,4643.83 2784.93,4554.37
1V5D on Top "1V5D_L01_P084" (solid, pour order 84): 2782.61,4498.6 2782.61,4505.08 2767.47,4520.21 2619.01,4520.21 2592.94,4494.14 2592.94,4467.38 2611.98,4448.34 2769.83,4448.34 2782.41,4460.92 2782.41,4498.92
GND on Top "GND_L01_P083" (solid, pour order 83): 4385.39,3398.72 4388.69,3402.02 4422.61,3402.02 4434.49,3390.13 4538.69,3390.13 4551.88,3376.94 4551.88,3357.67 4544.21,3350 4495.68,3350 4480.38,3365.3 4400.46,3365.3 4385.39,3380.37
1V5D on Top "1V5D_L01_P082" (solid, pour order 82): 4390.21,3461.08 4385.39,3465.9 4385.39,3477.22 4385.39,3493.37 4406.78,3514.76 4553.81,3514.76 4570,3498.57 4570,3463.04 4567.85,3463.04 4553.38,3448.57 4492.12,3448.57 4479.61,3461.08
3V3D on Top "3V3D_L01_P081" (solid, pour order 81): 3306.37,5560.33 3318.6,5548.09 3318.6,5533.44 3262.53,5477.36 3262.53,5395.76 3247.91,5381.13 3218.26,5381.13 3217.67,5380.54 3187.67,5410.54 3187.67,5456.49 3291.51,5560.33
3V3D on Top "3V3D_L01_P080" (solid, pour order 80): 2693.71,4944.28 2712.8,4963.38 2797.18,4963.38 2811.31,4949.25 2811.31,4932.46 2802.52,4923.67 2701.53,4923.67 2693.71,4931.49
3V3D on Top "3V3D_L01_P079" (solid, pour order 79): 3874.3,4934.25 3874.3,4951.03 3883.49,4960.21 4109.04,4960.21 4123.13,4946.12 4123.13,4931.59 4110.99,4919.45 3885.71,4919.45
GND on Top "GND_L01_P078" (solid, pour order 78): 1235.88,8002.85 1200.05,7967.03 1118.54,7967.03 1064.49,8021.08 1064.49,8057.2 1089.91,8082.62 1190.58,8082.62 1235.26,8037.93
GND on Top "GND_L01_P077" (solid, pour order 77): 1236.28,8441.84 1200.46,8406.01 1118.95,8406.01 1064.9,8460.06 1064.9,8496.18 1090.31,8521.6 1190.99,8521.6 1235.67,8476.92
GND on Top "GND_L01_P075" (solid, pour order 75): 1302.42,8968.03 1330.59,8996.19 1707.55,8996.19 1750.19,8953.55 1750.18,8953.55 1750.18,8894.13 1744.83,8888.77 1346.84,8888.77 1302.42,8933.19
24VALIM on Top "24VALIM_L01_P072" (solid, pour order 72): 495.12,8521.28 592.42,8618.58 665.3,8618.58 740,8543.88 740,8131.71 695.99,8087.69 554.53,8087.69 495.12,8147.11
24V on Top "24V_L01_P074" (solid, pour order 74): 1290,8769.06 1369.77,8848.82 1799.95,8848.82 1850,8798.77 1850,8401.79 1834.16,8385.95 1683.01,8385.95 1683.01,7988.88 1640.21,7946.07 1510.8,7946.07 1430.83,8026.05 1430.83,8638.82 1350.61,8638.82 1290,8699.44
GND on Top "GND_L01_P073" (solid, pour order 73): 977.83,8165.88 897.68,8085.72 813.19,8085.72 760,8138.92 760,8545.58 813.88,8599.46 918.42,8599.46 977.83,8540.05
GND on Top "GND_L01_P071" (solid, pour order 71): 1981.32,8613.47 1966.77,8598.92 1966.77,8566.88 1975.21,8555.98 1982.64,8555.98 2005.21,8578.55 2005.21,8579.66 2135.7,8579.66 2231.79,8675.75 2363.51,8675.75 2372.4,8684.64 2372.4,8740.87 2363.5,8749.76 2226.25,8749.76 2089.96,8613.47
5VD on Top "5VD_L01_P070" (solid, pour order 70): 2127.79,8548.14 2135.5,8555.98 2172.96,8555.98 2196.64,8579.66 2227.5,8579.66 2301.39,8653.55 2376.85,8653.55 2399.98,8630.42 2399.98,8555.85 2344.63,8500.5 2135.89,8500.5 2127.79,8508.59
GND on Top "GND_L01_P069" (solid, pour order 69): 2738.09,8591.81 2773.91,8555.98 2773.91,8474.47 2719.86,8420.42 2683.74,8420.42 2658.32,8445.84 2658.32,8546.51 2703.01,8591.2
GND on Top "GND_L01_P068" (solid, pour order 68): 3692.74,8554.75 3632.09,8554.75 3602.82,8584.02 3602.82,8629.12 3613.8,8640.1 3657.91,8640.1 3657.91,8638.73 3703.29,8593.35 3703.29,8562.45
GND on Top "GND_L01_P067" (solid, pour order 67): 5388.8,7772.95 5449.45,7772.95 5478.72,7743.68 5478.72,7698.58 5467.74,7687.6 5423.63,7687.6 5423.63,7688.97 5378.24,7734.36 5378.24,7765.26
3V3DDR on Top "3V3DDR_L01_P066" (solid, pour order 66): 5348.46,7900 5361.95,7886.51 5365.2,7886.51 5365.2,7836.74 5314.98,7786.51 5314.98,7654.22 5207.14,7546.38 5097.21,7546.38 5083.27,7560.33 5083.27,7826.13 5157.14,7900
5VD on Top "5VD_L01_P065" (solid, pour order 65): 2782.16,8932.15 2772.93,8922.93 2751.27,8922.93 2717.23,8956.96 2717.23,9032.93 2817.23,9132.93 3129.05,9132.93 3185.29,9076.69 3185.29,9038.44 3166.1,9019.24 2909.36,9019.24 2822.27,8932.15
5VD on Top "5VD_L01_P063" (solid, pour order 63): 4329.11,8069.23 4319.88,8060 4298.22,8060 4264.18,8094.04 4264.18,8170 4364.18,8270 4676,8270 4732.25,8213.76 4732.25,8175.51 4713.05,8156.31 4456.31,8156.31 4369.23,8069.23
GND on Top "GND_L01_P062" (solid, pour order 62): 4291.07,7771.72 4326.9,7735.9 4326.9,7654.39 4272.85,7600.34 4236.73,7600.34 4211.31,7625.76 4211.31,7726.43 4255.99,7771.11
GND on Top "GND_L01_P060" (solid, pour order 60): 4206.12,9094.63 4170.3,9130.45 4170.3,9211.96 4224.35,9266.01 4260.47,9266.01 4285.89,9240.6 4285.89,9139.93 4241.2,9095.24
3V3D on Top "3V3D_L01_P059" (solid, pour order 59): 3710.47,8800 3685.29,8774.82 3685.29,8724.71 3760,8650 3760,8531.44 3781.44,8510 4228.72,8510 4264.18,8545.46 4264.18,8774.82 4239,8800
GND on Top "GND_L01_P057" (solid, pour order 57): 2589.74,7569.36 2595.25,7574.79 2595.25,7728.47 2588.93,7734.8 2571.8,7734.8 2564.98,7727.98 2564.98,7575.1 2570.72,7569.37
VCC_PLL on Top "VCC_PLL_L01_P056" (solid, pour order 56): 32 vertices, not listed, extent 3008.02,7601.1 3073.17,7723.79
VCC_VCO on Top "VCC_VCO_L01_P054" (solid, pour order 54): 23 vertices, not listed, extent 3000.67,7461.61 3240.38,7558.7
NetC3_2 on Top "NETC3_2_L01_P013" (solid, pour order 13): 1542.57,5721.25 1671.72,5721.25 1689.31,5703.65 1689.31,5632.49 1682.34,5625.52 1605.07,5625.52 1534.71,5695.88 1534.71,5714.32
NetC4_2 on Top "NETC4_2_L01_P015" (solid, pour order 15): 1613.53,5428.38 1681.85,5428.38 1692.82,5417.41 1692.82,5346.24 1685.86,5339.27 1554.54,5339.27 1538.22,5355.59 1538.22,5361.98
GND on Top "GND_L01_P016" (solid, pour order 16): 1858.14,5549.75 1862.52,5554.14 1862.43,5554.21 1862.43,5603 1837.25,5628.18 1827.08,5628.18 1811.79,5620 1811.79,5586.73 1848.77,5549.75
1V2D on Top "1V2D_L01_P017" (solid, pour order 17): 1934.14,5549.06 1934.14,5552.94 1914.09,5573 1914.09,5603.67 1884.28,5633.48 1872.98,5626.36 1872.98,5583.17 1911.05,5545.1 1930.11,5545.1
3V3D on Top "3V3D_L01_P018" (solid, pour order 18): 2192.75,5361.25 2197.79,5365.94 2197.79,5418.7 2179.93,5436.56 2140.15,5436.56 2128.38,5428.38 2128.38,5396.94 2164.07,5361.25
1V2D on Top "1V2D_L01_P024" (solid, pour order 24): 17 vertices, not listed, extent 3378.12,5426.99 3520.92,5880
1V2D on Top "1V2D_L01_P025" (solid, pour order 25): 3156.57,6060 3186.75,6090.18 3276.3,6090.18 3291.66,6074.82 3291.58,6074.74 3291.58,5972.45 3249.22,5930.09 2648.06,5930.09 2589.94,5988.2 2589.94,6049.94 2600,6060
GND on Top "GND_L01_P026" (solid, pour order 26): 2922.47,6157.87 2914.54,6149.9 2914.54,6104.77 2914.79,6104.77 2929.39,6090.18 2961.91,6090.18 2977.38,6105.65 2977.38,6151.31 2970.82,6157.87
GND on Top "GND_L01_P027" (solid, pour order 27): 3227.2,6492.9 3219.27,6484.93 3219.27,6439.8 3219.52,6439.8 3234.12,6425.21 3266.64,6425.21 3282.11,6440.68 3282.11,6486.34 3275.55,6492.9
3V3A on Top "3V3A_L01_P028" (solid, pour order 28): 17 vertices, not listed, extent 1507.32,3988.68 2198.34,4294.01
5VP on Top "5VP_L01_P029" (solid, pour order 29): 1643.7,4670 1627.42,4686.29 1549.32,4686.29 1486.61,4623.58 1486.61,4586.44 1509.56,4563.49 1583.53,4563.49 1643.7,4623.66
5VP on Top "5VP_L01_P030" (solid, pour order 30): 598.1,4192.5 718.05,4192.5 846.61,4321.06 926.32,4321.06 1100.78,4495.52 1100.78,4590.54 1067.66,4623.66 866.69,4623.66 553.03,4310 553.03,4229.93
GND on Top "GND_L01_P031" (solid, pour order 31): 564.95,4609.64 529.13,4645.46 529.13,4726.97 583.18,4781.02 619.3,4781.02 644.72,4755.6 644.72,4654.93 600.03,4610.25
GND on Top "GND_L01_P032" (solid, pour order 32): 872.57,4255.75 908.4,4291.58 989.91,4291.58 1043.96,4237.52 1043.96,4201.4 1018.54,4175.99 917.87,4175.99 873.18,4220.67
3V3DDR on Top "3V3DDR_L01_P033" (solid, pour order 33): 5461.57,7122.55 5479.36,7104.76 5479.36,7060.21 5469.82,7050.66 5449.34,7050.66 5416.35,7083.65 5416.35,7105.86 5434.07,7122.55
GND on Top "GND_L01_P034" (solid, pour order 34): 20 vertices, not listed, extent 815.98,2300.99 1038.78,2458.58
5VP on Top "5VP_L01_P035" (solid, pour order 35): 701.97,2656.19 710.98,2665.2 779.62,2665.2 799.25,2645.58 912.62,2645.58 924.3,2633.91 924.3,2572.19 888.93,2536.82 759.13,2536.82 722.07,2573.87 722.07,2627.07 701.97,2647.17
GND on Top "GND_L01_P036" (solid, pour order 36): 21 vertices, not listed, extent 608.66,2665.42 926.96,2782.6
5VP on Top "5VP_L01_P037" (solid, pour order 37): 17 vertices, not listed, extent 621.97,1627.53 1189.43,2013.48
GND on Top "GND_L01_P038" (solid, pour order 38): 886.34,1650.58 886.34,1680 846.34,1720 621.97,1720 589.38,1687.41 589.38,1645.22 624.76,1609.84 838.14,1609.84
GND on Top "GND_L01_P039" (solid, pour order 39): 1211.22,2373.27 1175.4,2409.1 1175.4,2490.61 1229.45,2544.66 1265.57,2544.66 1290.99,2519.24 1290.99,2418.57 1246.3,2373.88
GND on Top "GND_L01_P040" (solid, pour order 40): 1831.79,4280.11 1827.84,4284.06 1827.79,4297.58 2087.41,4557.19 2126.61,4557.19 2163.59,4520.21 2163.59,4489.02 2141.34,4466.77 2056.48,4466.77 1869.82,4280.11
GND on Top "GND_L01_P041" (solid, pour order 41): 1141.26,1923.22 1090.96,1923.22 1025.71,1857.97 1025.71,1834.77 1042.9,1817.58 1069.15,1817.58 1148.12,1896.55 1148.12,1913.8
5VN on Top "5VN_L01_P042" (solid, pour order 42): 1541.93,2373.27 1541.93,2200.19 1853.58,1888.54 1901.65,1888.54 1926.92,1913.8 1926.92,1965.57 1926.69,1965.57 1887.69,2004.57 1836.7,2004.57 1621.69,2219.58 1621.69,2519.24 1596.28,2544.66 1560.16,2544.66 1506.11,2490.61 1506.11,2409.1
GND on Top "GND_L01_P043" (solid, pour order 43): 4744.86,7546.38 4709.04,7510.55 4627.53,7510.55 4573.48,7564.61 4573.48,7600.73 4598.9,7626.14 4699.57,7626.14 4744.25,7581.46
GND on Top "GND_L01_P047" (solid, pour order 47): 3093.86,7525.24 3086.45,7517.83 3086.45,7482.31 3094.24,7474.52 3095.28,7475.56 3184.28,7475.56 3194.66,7485.94 3194.66,7500.61 3184.95,7510.31 3123.92,7510.31 3108.99,7525.24
PHY_VDDA on Data 2 "PHY_VDDA_L05_P019" (solid, pour order 19): 1824.4,5175.43 1809.53,5190.3 1800,5200 1800,5585.91 1907.22,5693.14 1929.51,5693.14 1944.51,5678.14 1944.51,5393.32 1952.95,5384.88 1977.2,5384.88 2057.85,5304.23 2057.85,5282.86 1950.43,5175.43
GND on Ground Plane 1 (split plane): 5800.57,10776.01 5800.57,-102.6 -105.27,-102.6 -105.27,10776.01
GND on Ground Plane 2 (split plane): 5800.57,10776.01 5800.57,-102.6 -105.27,-102.6 -105.27,10776.01
no net on Ground Plane 3 (split plane): 5800.57,10776.01 5800.57,-102.6 -105.27,-102.6 -105.27,10776.01
no net on Ground plane 4 (split plane): 5800.57,10776.01 5800.57,-102.6 -105.27,-102.6 -105.27,10776.01
GND on Ground Plane 5 (split plane): 5800.57,10776.01 5800.57,-102.6 -105.27,-102.6 -105.27,10776.01
no net on Ground Plane 6 (split plane): 5800.57,10776.01 5800.57,-102.6 -105.27,-102.6 -105.27,10776.01
no net on Ground Plane 7 (split plane): 5800.57,10776.01 5800.57,-102.6 -105.27,-102.6 -105.27,10776.01
no net on Groud Plane 8 (split plane): 5800.57,10776.01 5800.57,-102.6 -105.27,-102.6 -105.27,10776.01

## Silkscreen, mask and mechanical layers (free items; w line width, h text height)
Top Overlay:
  rectangle: 4626.42,924.33 5135.01,1227.59
  lines w5: 3461.88,2292.59 3461.88,2532.59 4551.88,2532.59 4551.88,2292.59 3461.88,2292.59
  lines w10: 1776.46,2275.15 1776.46,2775.15 2440,2775.15 2440,2275.15 1776.46,2275.15 ; 2304.09,1469.96 3444.09,1469.96 3444.09,2129.96 2304.09,2129.96 2304.09,1469.96 ; 3534.09,1480 4114.09,1480 4114.09,2120 3534.09,2120 3534.09,1480
  text "JTAG" at 2367.79,10313.58 h100
  text "USB" at 696.02,10089.92 h100
  text "3V3D" at 3487.71,9429.82 h100
  text "24V" at 140.78,9123.58 h100
  text "5VD" at 2087.79,9059.73 h100
  text "3V3DDR" at 5236.16,8571.93 h60
  text "CLOCK" at 2662.01,8033.58 h100
  text "MOTOR" at 177.79,7723.58 h100
  text "FLASH" at 3610.29,7163.58 h100
  text "DDR" at 4513.85,6971.32 h100
  text "1V2D" at 3029.53,6633.41 h100
  text "RJ45" at 127.79,6006.25 h100
  text "PHY" at 1356.01,5822.61 h100
  text "BANK0" at 3136.27,5670.88 h60
  text "FPGA" at 2574.02,5538.84 h100
  text "BANK5" at 3980.68,5326.54 h60
  text "BANK4" at 2405.12,5297.22 h60
  text "3V3A" at 1840.49,4763.58 h100
  text "BANK3" at 2422.75,4311.75 h60
  text "BANK1" at 4015.84,4275.34 h60
  text "BANK2" at 2996.2,3924.34 h60
  text "DAC" at 391.97,3833.58 h100
  text "1V8D" at 3426.9,3799 h100
  text "1V5D" at 4060.68,3643.58 h100
  text "DEBUG LED" at 1844.04,2791.99 h80
  text "5VP" at 217.44,2750.06 h100
  text ".Project_Name" at 3567.79,2543.58 h78.74
  text ".Project_Global" at 3503.11,2312.59 h39.37
  text "0" at 4677.79,2273.58 h787.4
  text "SWITCH" at 2371.89,2133.54 h60
  text "SWITCH RESET" at 3601.89,2123.58 h60
  text "5VN" at 1807.79,2110.87 h100
  text ".Project_Revision" at 4567.79,1959.88 h40
  text "Revision" at 4664.09,1959.88 h40
  text ".Project_DateCode" at 4597.79,1893.58 h40
  text "Designed by:" at 4627.79,1783.58 h36
  text ".Project_Designer1" at 4607.79,1693.58 h36
  text ".Project_Designer2" at 4594.65,1534.08 h36
  text ".Project_Designer3" at 4594.65,1463.83 h36
  text ".Project_Designer4" at 4594.65,1393.58 h36
  text "ADC" at 441.97,1388.57 h100
  text "Serial #" at 4623.2,1210.74 h39.37

## Text inside footprints (layer, text, board x,y; h text height)
D14: Top Overlay "+" at 2066.21,2373.1 h19.68 r180
D15: Top Overlay "+" at 2067.76,2603.1 h19.68 r180
D16: Top Overlay "+" at 2416.93,2382.19 h19.68 r180
D17: Top Overlay "+" at 2415.39,2593.02 h19.68 r180
D18: Top Overlay "+" at 1084.96,8834.2 h19.68 r90
J2: Top Overlay "*" at 137.79,5141.25 h65 r270
J5: Top Overlay "1" at 232.36,7490.51 h65 r270; Top Assembly "INSERT WIRES ON THIS SIDE" at 63.07,7407.83 h31.5 r270